# Altium PCB PCB1.PcbDoc (part 1 of 3) (continued)
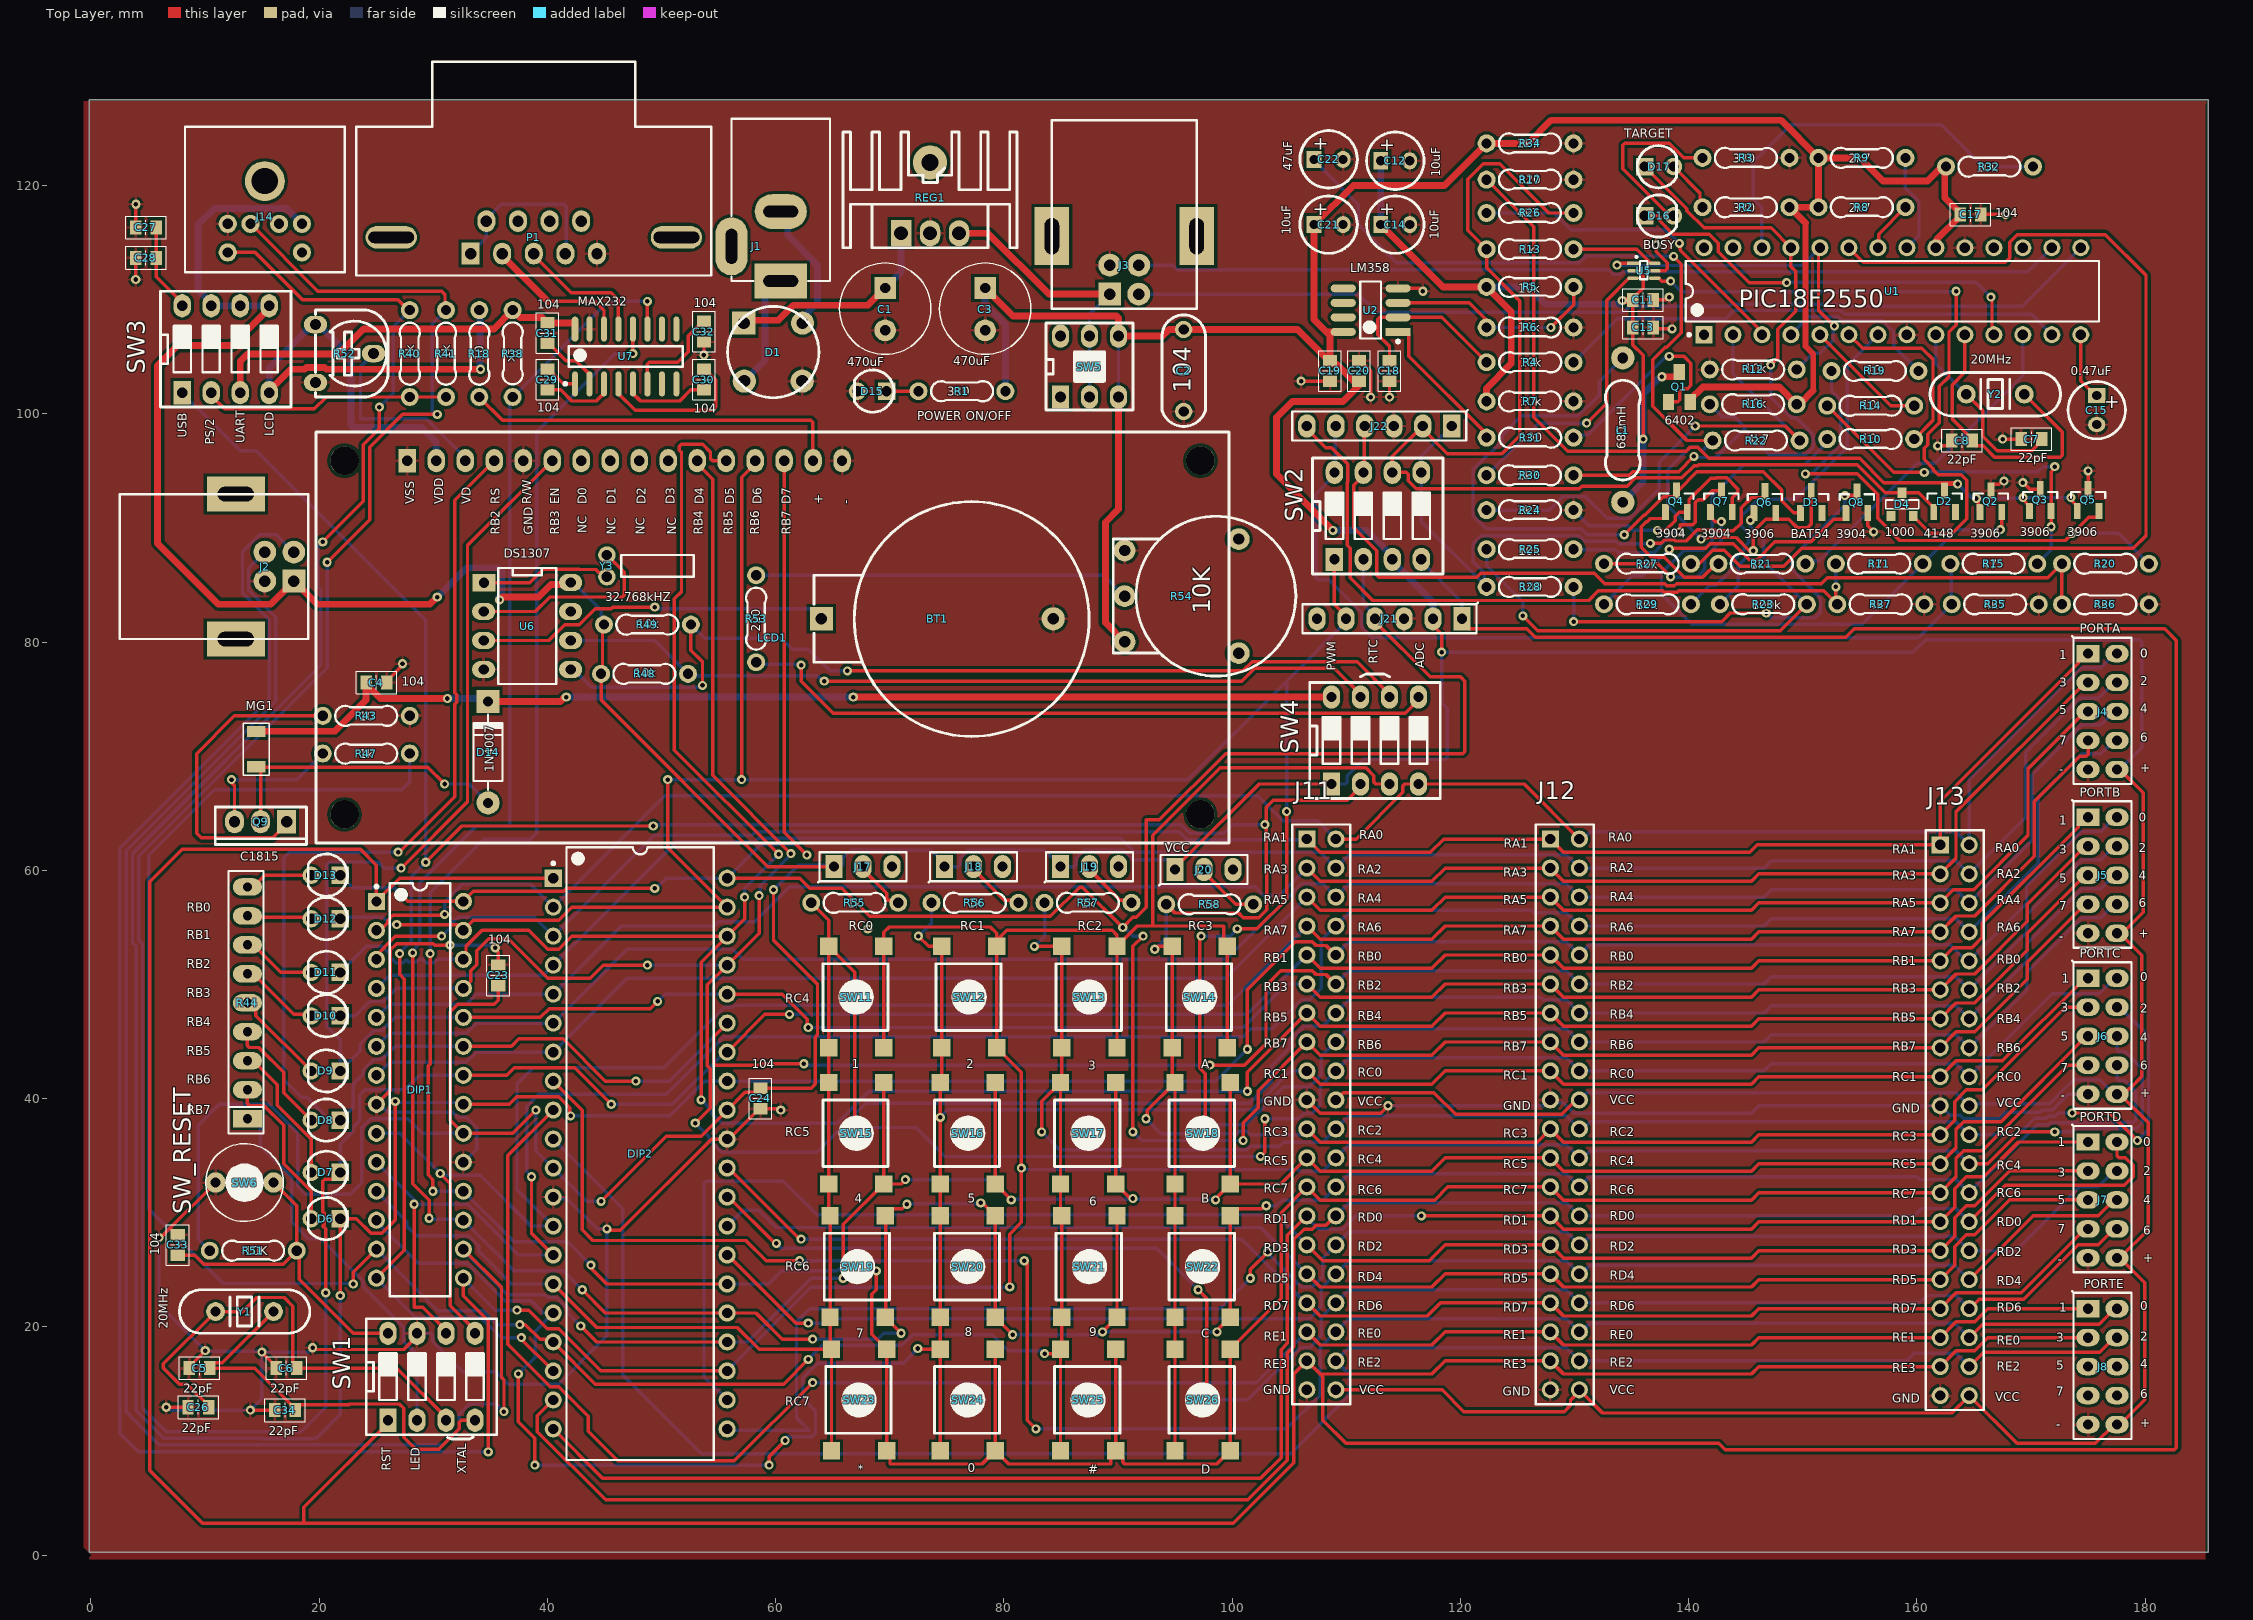
[diagram p0: Top Layer view]
## Footprints (in the part's own frame and the unit in brackets; to place one, negate y for a bottom-side part, rotate by r counter-clockwise, add the part's x,y. Pads: shape width x height; smd on the part's side, far side on the other; paste and mask are expansions set on the pad)
"BRIDGE DIODE 2A" [mil] "CAU 1A TRON"
  rect 80x80 hole 42: 1(0,-2)
  round 80 hole 42: 2(0,201) 3(200,0) 4(200,200)
  silkscreen extent -57,-57 257,257, body extent -86,-88 280,278, height 220
C5mm [mm]
  rect 1.3x1.5 hole 0.8: 1(-1.27,0)
  oval 1.3x1.5 hole 0.8: 2(1.27,0)
  silkscreen extent -2.51,-2.51 2.51,2.51, body extent -2.5,-2.5 2.49,2.5, height 11.01
"C 104" [mil] "Capacitor"
  round 60 hole 35.43: 1(0,0) 2(283,0)
  silkscreen extent -50,-75 334,75, body extent -31,-81 315,77, height 315
"C 0805 (2012)" [mm] "Chip Capacitor, 2-Leads, Body 2.0x1.3mm, IPC Medium Density"
  rect 1x1.25 smd: 1(-0.9,0) 2(0.9,0)
  silkscreen extent -1.78,-1 1.78,1, body extent -1,-0.64 1,0.61, height 0.6
"CON CR2032" [mil]
  rect 80x80 / inner round 60 / far side rect 80x80 hole 39: 1(0,0)
  round 80 / inner round 60 / far side round 80 hole 39: 2(800,0)
  silkscreen extent -25,-406 923,404, body extent -132,-448 998,448, height 279
"CON DB9 FEMALE ROTATY" [mil]
  rect 62x75 hole 39.37: 1(218,56)
  oval 62x75 hole 39.37: 2(109,56) 3(0,56) 4(-109,56) 5(-218,56) 6(163.5,-56) 7(54.5,-56) 8(-54.5,-56) 9(-163.5,-56)
  oval 177.17x78.74 hole 39.37 slot 157.48 at 0 deg: Hole49(-492,0) Hole50(492,0)
  silkscreen extent -612,-606 612,132, body extent -606,-602 607,118, height 497
"CON PWR 5MM" [mil]
  rect 120x180 hole 40 slot 120 at 90 deg: 1(0,0)
  oval 120x180 hole 40 slot 120 at 90 deg: 2(-240,0)
  oval 200x110 hole 40 slot 120 at 0 deg: 3(-120,-170)
  silkscreen extent -560,-170 0,170, body extent -540,-193 4,181, height 434
"CON USB B" [mil]
  rect 79x79 hole 39.37: 1(0,0)
  round 78.73 hole 39.37: 2(100,0) 3(100,100) 4(0,100)
  rect 120x200 hole 50 slot 125 at 90 deg: 5(-200,200) 6(300,200)
  silkscreen extent -200,-50 300,600, body extent -240,-45 343,605, height 440
"Crystal DIP-2" [mil] "Available for crystal 32.768kHz"
  round 60 hole 35.43: 1(0,-25) 2(0,-100)
  silkscreen extent 50,-100 300,-25, body extent 50,-105 300,-25
"Crystal HC49S DIP" [mil]
  round 65 hole 35.43: 1(0,0) 2(200,0)
  silkscreen extent -125,-75 325,75, body extent -120,-93 320,91, height 143
CYL/D.300/LS.150/.031 [mm]
  rect 1.905x1.905 hole 0.9: 1(0.1,0)
  round 1.905 hole 0.9: 2(3.81,0)
  silkscreen extent -2.1,-4 5.91,4, body extent -2.09,-4 5.91,4, height 12
D1A [mil] "Diode 1A, W 100mil, L 350mil"
  round 80 hole 35: 1(0,0)
  rect 80x80 hole 35: 2(-350,0)
  silkscreen extent -305,-50 -45,50, body extent -386,-33 34,36, height 84
"DIP 8" [mil] "DIP IC (2.54mm), 8 pins"
  rect 60x80 hole 35.43: 1(1,1)
  oval 60x80 hole 35.43: 2(100,0) 3(200,0) 4(300,0) 5(300,300) 6(200,300) 7(100,300) 8(0,300)
  silkscreen extent -50,50 350,250, body extent -47,-15 347,310, height 201
HDR2X20 [mm] "Connector; Header; 20x2 Position"
  rect 1.5x1.5 hole 0.9: 1(0,0)
  round 1.5 hole 0.9: 2(0,2.54) 3(2.54,0) 4(2.54,2.54) 5(5.08,0) 6(5.08,2.54) 7(7.62,0) 8(7.62,2.54) 9(10.16,0) 10(10.16,2.54) 11(12.7,0) 12(12.7,2.54) 13(15.24,0) 14(15.24,2.54) 15(17.78,0) 16(17.78,2.54) 17(20.32,0) 18(20.32,2.54) 19(22.86,0) 20(22.86,2.54) 21(25.4,0) 22(25.4,2.54) 23(27.94,0) 24(27.94,2.54) 25(30.48,0) 26(30.48,2.54) 27(33.02,0) 28(33.02,2.54) 29(35.56,0) 30(35.56,2.54) 31(38.1,0) 32(38.1,2.54) 33(40.64,0) 34(40.64,2.54) 35(43.18,0) 36(43.18,2.54) 37(45.72,0) 38(45.72,2.54) 39(48.26,0) 40(48.26,2.54)
  silkscreen extent -1.27,-1.27 49.53,3.81, body extent -1.42,-1.27 49.68,3.73, height 8.5
"Header 3" [mil]
  rect 60x80 hole 35.43: 1(0,0)
  oval 60x80 hole 35.43: 2(100,0) 3(200,0)
  silkscreen extent -55,-55 250,50, body extent -50,-50 250,50, height 350
"Header 5x2" [mil]
  rect 60x80 hole 35.43: 1(0,0)
  oval 60x80 hole 35.43: 2(0,100) 3(100,0) 4(100,100) 5(200,0) 6(200,100) 7(300,0) 8(300,100) 9(400,0) 10(400,100)
  silkscreen extent -60,-55 450,150, body extent -50,-50 450,150, height 350
"Header 6" [mil]
  rect 60x80 hole 35.43: 1(0,0)
  oval 60x80 hole 35.43: 2(100,0) 3(200,0) 4(300,0) 5(400,0) 6(500,0)
  silkscreen extent -55,-55 550,50, body extent -50,-50 550,50, height 330
"LCD 16x2" [mm]
  rect 1.524x2.032 hole 0.9: 1(0,0)
  oval 1.524x2.032 hole 0.9: 2(2.54,0) 3(5.08,0) 4(7.62,0) 5(10.16,0) 6(12.7,0) 7(15.24,0) 8(17.78,0) 9(20.32,0) 10(22.86,0) 11(25.4,0) 12(27.94,0) 13(30.48,0) 14(33.02,0) 15(35.56,0) 16(38.1,0)
  round 2.5 hole 2.5: HOLE(-5.5,0) HOLF(69.5,0) HOLG(69.5,-31) HOLH(-5.5,-31)
  silkscreen extent -8,-33.5 72,2.5, body extent -7.99,-33.47 72.26,2.53, height 18.05
"LED 3MM" [mil]
  rect 60x60 hole 35.43: 1(0,0)
  round 60 hole 35.43: 2(100,0)
  silkscreen extent -25,-73 110,72, body extent -22,-69 110,69, height 177
PDIP600-P40 [mm] "DIP, 40-Leads, Row Spacing 15.24mm, Pitch 2.54mm, Body 51.8x13.5mm"
  rect 1.5x1.5 hole 0.9: 1(-7.62,24.13)
  round 1.5 hole 0.9: 2(-7.62,21.59) 3(-7.62,19.05) 4(-7.62,16.51) 5(-7.62,13.97) 6(-7.62,11.43) 7(-7.62,8.89) 8(-7.62,6.35) 9(-7.62,3.81) 10(-7.62,1.27) 11(-7.62,-1.27) 12(-7.62,-3.81) 13(-7.62,-6.35) 14(-7.62,-8.89) 15(-7.62,-11.43) 16(-7.62,-13.97) 17(-7.62,-16.51) 18(-7.62,-19.05) 19(-7.62,-21.59) 20(-7.62,-24.13) 21(7.62,-24.13) 22(7.62,-21.59) 23(7.62,-19.05) 24(7.62,-16.51) 25(7.62,-13.97) 26(7.62,-11.43) 27(7.62,-8.89) 28(7.62,-6.35) 29(7.62,-3.81) 30(7.62,-1.27) 31(7.62,1.27) 32(7.62,3.81) 33(7.62,6.35) 34(7.62,8.89) 35(7.62,11.43) 36(7.62,13.97) 37(7.62,16.51) 38(7.62,19.05) 39(7.62,21.59) 40(7.62,24.13)
  silkscreen extent -7.74,-26.85 6.45,26.85, body extent -7.3,-26.85 7.3,26.85, height 6.35
PS2-6PIN [mm] "PS2 Socket, 6 Pin, Through Hole"
  round 1.6 hole 0.9: 1(-1.25,-8.5) 2(1.25,-8.5) 3(-3.25,-8.5) 4(3.25,-8.5) 5(-3.25,-11) 6(3.25,-11)
  round 3.5 hole 2.3: S(0,-4.75)
  silkscreen extent -7,-12.75 7,0
"R 1/2W" [mil]
  round 80 hole 37: 1(0,0) 2(498,0)
  silkscreen extent 77,-60 421,60, body extent -12,-71 510,71, height 161
"R 1/4W" [mil]
  round 62 hole 35.43: 1(0,0) 2(300,0)
  silkscreen extent 44,-35 257,35, body extent -12,-47 312,47, height 95
"R 1206 (3216)" [mm] "Chip Resistor, 2-Leads, Body 3.1x1.6mm, IPC Medium Density"
  rect 1x1.6 smd: 1(-1.55,0) 2(1.55,0)
  silkscreen extent -2.29,-1.14 2.29,1.14, body extent -1.6,-0.8 1.6,0.8, height 0.6
"R VAR B" [mil]
  round 75 / inner round 60 / far side round 75 hole 39: 1(0,0) 2(157.47,0) 3(314.93,0) 4(-39.37,393.67) 5(354.3,393.67)
  silkscreen extent -118,-39 433,590
"R VAR D" [mil]
  oval 60x80 / inner round 60 / far side oval 60x80 hole 39: 1(0,0) 2(100,200) 3(200,0)
  silkscreen extent -50,0 250,250, body extent -27,-48 229,230, height 292
RN8 [mil] "R SIP8, 9 Pin"
  rect 60x100 hole 32: 1(0,0)
  oval 60x100 hole 32: 2(100,0) 3(200,0) 4(300,0) 5(400,0) 6(500,0) 7(600,0) 8(700,0) 9(800,0)
  silkscreen extent -50,-55 855,65, body extent -43,-44 843,5, height 259
SOIC-8 [mm] "SOIC, 8-Leads, Body 5.0x4.0mm (max), Pitch 1.27mm, IPC Medium Density"
  rect 2.2x0.7 smd: 1(-2.4,1.905)
  oval 2.2x0.7 smd: 2(-2.4,0.635) 3(-2.4,-0.635) 4(-2.4,-1.905) 5(2.4,-1.905) 6(2.4,-0.635) 7(2.4,0.635) 8(2.4,1.905)
  silkscreen extent -2.53,-2.5 0.9,2.88, body extent -3,-2.49 3,2.41, height 1.75
SOIC-16 [mm] "SOIC, 16-Leads, Body 10.0x4.0mm (max), Pitch 1.27mm, IPC Medium Density"
  oval 2.2x0.51 smd: 1(-2.4,4.445) 2(-2.4,3.175) 3(-2.4,1.905) 4(-2.4,0.635) 5(-2.4,-0.635) 6(-2.4,-1.905) 7(-2.4,-3.175) 8(-2.4,-4.445) 9(2.4,-4.445) 10(2.4,-3.175) 11(2.4,-1.905) 12(2.4,-0.635) 13(2.4,0.635) 14(2.4,1.905) 15(2.4,3.175)
  oval 2.2x0.6 smd: 16(2.4,4.445)
  silkscreen extent -2.52,-5 0.9,5.42, body extent -3,-4.95 3,4.95, height 1.4
SOT23 [mm]
  rect 1x1.4 smd: 1(-0.95,-1.306) 2(0.95,-1.306) 3(0,1.306)
SOT-6 [mm]
  rect 1.016x0.3 smd: 1(0,0)
  oval 1.016x0.3 smd: 2(0,-0.65) 3(0,-1.3) 4(1.9,-1.3) 5(1.9,-0.65) 6(1.9,0)
  silkscreen extent 0.24,-1.4 1.27,0.63, body extent -0.26,-1.74 2.14,0.46, height 1.1
SOT-23#1 [mm] "SOT23, 3-Leads, Body 3.0x2.5mm (max), Pitch 0.95mm, IPC Medium Density"
  rect 1.4x0.6 smd: 1(-0.95,0.95) 2(-0.95,-0.95) 3(0.95,0)
  silkscreen extent 0.2,-1.5 0.7,1.5, body extent -1.28,-1.46 1.27,1.46, height 0.95
SOT-23#2 [mm]
  rect 0.787x0.889 smd: 1(0.025,-1.016) 2(-0.94,1.016) 3(0.991,1.016)
  silkscreen extent -1.42,-0.38 1.47,0.38
SPDIP300-SP28 [mm] "DIP, 28-Leads, Row Spacing 7.62mm, Pitch 2.54mm, Body 34.9x6.8mm"
  rect 1.5x1.5 hole 0.9: 1(-3.81,16.51)
  round 1.5 hole 0.9: 2(-3.81,13.97) 3(-3.81,11.43) 4(-3.81,8.89) 5(-3.81,6.35) 6(-3.81,3.81) 7(-3.81,1.27) 8(-3.81,-1.27) 9(-3.81,-3.81) 10(-3.81,-6.35) 11(-3.81,-8.89) 12(-3.81,-11.43) 13(-3.81,-13.97) 14(-3.81,-16.51) 15(3.81,-16.51) 16(3.81,-13.97) 17(3.81,-11.43) 18(3.81,-8.89) 19(3.81,-6.35) 20(3.81,-3.81) 21(3.81,-1.27) 22(3.81,1.27) 23(3.81,3.81) 24(3.81,6.35) 25(3.81,8.89) 26(3.81,11.43) 27(3.81,13.97) 28(3.81,16.51)
  silkscreen extent -3.93,-18.1 2.65,18.1, body extent -3.55,-18.1 3.55,18.1, height 5.08
SW/2/DIP [mil]
  round 70 hole 35.43: 1(0,0) 2(200,0)
  silkscreen extent -34,-134 234,134, body extent -34,-134 235,135, height 150
SW/4/SMD/SMALL [mil]
  rect 60x60 smd: 1(-95,175) 2(95,175) 3(95,-175) 4(-95,-175)
  silkscreen extent -115,-115 110,115, body extent -118,-197 118,197, height 197
SW/6/DPDT/PUSH [mil]
  rect 60x80 hole 39: 1(-100,-105)
  oval 60x80 hole 38: 2(0,-105) 3(100,-105) 4(-100,105) 5(0,105) 6(100,105)
  silkscreen extent -150,-150 150,150, body extent -165,-172 170,162, height 544
SW/DIP4 [mil]
  rect 60x80 hole 35.43: 1(0,0)
  oval 60x80 hole 35.43: 2(100,0) 3(200,0) 4(300,0) 5(300,300) 6(200,300) 7(100,300) 8(0,300)
  silkscreen extent -75,-50 375,350, body extent -77,-45 381,345, height 268
TO-126 [mil]
  rect 65x80 hole 39.37: 1(0,0)
  oval 65x80 hole 39.37: 2(89.76,0) 3(179.53,0)
  silkscreen extent -69,-51 246,79, body extent -63,-71 244,35, height 614
TO-220/HeatSink [mm]
  rect 1.8x2.286 hole 1.2: 1(0,0)
  oval 1.8x2.286 hole 1.2: 2(2.54,0) 3(5.08,0)
  round 3 hole 1.5: 4(2.54,6.198)
  silkscreen extent -5.08,-1.27 10.16,8.89, body extent -4.85,-1.31 9.93,9.49, height 25

## Part data
C1 C3: library part "Cap Pol 8mm", "Polarized Capacitor (Axial)", LatestRevisionDate=17-Jul-2002, LatestRevisionNote="Re-released for DXP Platform.", PackageReference=POLAR0.8, Published=8-Jun-2000, Publisher="Altium Limited"
C2 C4 C5 C6 C7 C8 C11 C13 C17 C18 C19 C20 C23 C24 C26 C27 C28 C29 C30 C31 C32 C33 C34: library part "Capacitor NP", "Capacitor non-pol"
C12 C14 C15 C21 C22: library part "Cap Pol 5mm", "Polarized Capacitor (Axial)", LatestRevisionDate=17-Jul-2002, LatestRevisionNote="Re-released for DXP Platform.", PackageReference=POLAR0.8, Published=8-Jun-2000, Publisher="Altium Limited"
D1: library part "Diode Bridge", "Convert AC to DC voltage, 4 pin", ="Cau 5A"
D2: library part 1N4148, "DIODE FAST SIGNAL 500MA/100V", Package="DO-35 Fairchild Semiconductor", Availability=Unavailable, MF="MICROSS/On Semiconductor", MP=1N4148, Price=None, SnapEDA_Link=https://www.snapeda.com/parts/1N4148/MICROSS/On%20Semiconductor/view-part/9246/?ref=snap
D3: library part Diode, "Default Diode", Code_JEDEC=DO-214-AB, LatestRevisionDate=17-Jul-2002, LatestRevisionNote="Re-released for DXP Platform.", PackageReference=SMC, PackageVersion=Sep-1996, Published=8-Jun-2000, Publisher="Altium Limited"
D4: library part ZHCS1000, "Diode Schottky 40V 1A _DC_ Surface Mount SOT-23-3", Package="SOT-23 Diodes Inc.", Availability=Unavailable, MF="Diodes Inc.", MP=ZHCS1000, Price=None, SnapEDA_Link=https://www.snapeda.com/parts/ZHCS1000/Diodes%20Inc./view-part/53280/?ref=snap
D6 D7 D8 D9 D10 D11 D12 D13 D15 D16 D17: library part "IR Led", "IR Led", LatestRevisionDate=17-Jul-2002, LatestRevisionNote="Re-released for DXP Platform.", PackageReference=AXIAL-0.3, Published=8-Jun-2000, Publisher="Altium Limited"
D14: library part D1A, "Diode 1A"
DIP1: library part PIC16F886-I/SP, "Flash-Based, 8-Bit CMOS Microcontroller with nanoWatt Technology, 8K (x14-Bit words) Program Memory, 624 Bytes Data Memory, 24 I/O pins, 28-Pin SPDIP, Standard VDD Range, Industrial Temperature", Supplier Part Number 1=PIC16F886-I/SP-ND, ComponentLink1Description=Datasheet, ComponentLink1URL=http://ww1.microchip.com/downloads/en/DeviceDoc/41291F.pdf, ComponentLink2Description="Packaging Specification", ComponentLink2URL=http://www.microchip.com/stellent/groups/techpub_sg/documents/packagingspec/en012702.pdf, ComponentLink3Description="Microchip.com Home", ComponentLink3URL=http://www.microchip.com/, DatasheetVersion="revF, Apr-2009", LatestRevisionDate=02-Dec-2009, LatestRevisionNote="Updated datasheet to version revF, Apr-2009.", PackageDescription="28-Lead Skinny Plastic Dual In-Line (SP) - 300 mil Body [SPDIP]", PackageReference=SPDIP300-SP28, PackageVersion="revBB, Aug-2009", Published=29-Jan-2009, Publisher="Altium Limited", Supplier 1=Digi-Key, Supplier 2=Farnell, Supplier Part Number 2=1439539
DIP2: library part PIC18F4620-I/P, "Enhanced Flash Microcontroller with 10-Bit A/D and nanoWatt Technology, 64K Flash, 40-Pin PDIP, Industrial Temperature Range", Supplier Part Number 1=PIC18F4620-I/P-ND, ComponentLink1Description=Datasheet, ComponentLink1URL=http://ww1.microchip.com/downloads/en/DeviceDoc/39626e.pdf, ComponentLink2Description="Packaging Specification", ComponentLink2URL=http://www.microchip.com/stellent/groups/techpub_sg/documents/packagingspec/en012702.pdf, ComponentLink3Description="Microchip.com Home", ComponentLink3URL=http://www.microchip.com/, DatasheetVersion="revE, May-2008", PackageDescription="40-Lead Plastic Dual In-Line (P) - 600 mil Body [PDIP]", PackageReference=PDIP600-P40, PackageVersion="revBB, Aug-2009", Published=29-Jan-2009, Publisher="Altium Limited", Supplier 1=Digi-Key, Supplier 2=Farnell, Supplier 3=Farnell, Supplier Part Number 2=1212704, Supplier Part Number 3=1660064
J1: library part "CON DC PWR", "DC input connector"
J2 J3: library part "CON USB B", "USB type B, 4 pins"
J4 J5 J6 J7 J8: library part "Header 5X2", "Header, 5-Pin, Dual row", LatestRevisionDate=17-Jul-2002, LatestRevisionNote="Re-released for DXP Platform.", Publisher="Altium Limited"
J11 J12 J13: library part "Header 20X2", "Header, 20-Pin, Dual row", LatestRevisionDate=17-Jul-2002, LatestRevisionNote="Re-released for DXP Platform.", Publisher="Altium Limited"
J14: library part PS2-6PIN, "6 Pin Through Hole PS2 Socket (Kycon P/N)", ComponentLink1Description="Manufacturer Link", ComponentLink1URL=http://www.oupiin.com/prodindx.html#Headers, Published=17-Dec-2003, Publisher="Altium Limited"
J17 J18 J19 J20: "Header, 3-Pin"
J21 J22: "Header, 6-Pin"
L1: library part Inductor, "Inductor"
LCD1: library part "LCD 16x2", "Character LCD 16x2"
MG1: "Servo Motor", LatestRevisionDate=17-Jul-2002, LatestRevisionNote="Re-released for DXP Platform.", PackageDescription="Radial Cap, Thru-Hole; 2 Leads; 0.4 in Pin Spacing", PackageReference=RAD-0.4, Published=24-Mar-1999, Publisher="Altium Limited"
P1: library part "CON DB-9", "Connector D-Sub 9"
Q1: library part IRLML6402, "P-Channel 20V 3.7A _Ta_ 1.3W _Ta_ Surface Mount Micro3™/SOT-23", Package="SC-59 Infineon Technologies", Availability=Unavailable, MF="Infineon Technologies", MP=IRLML6402, Price=None, SnapEDA_Link=https://www.snapeda.com/parts/IRLML6402/Infineon%20Technologies/view-part/2522811/?ref=snap
Q2 Q3 Q5 Q6: library part "Transistor PNP", "PNP Bipolar Transistor", LatestRevisionDate=29-May-2009, LatestRevisionNote="IPC-7351 Footprint Added.", PackageDescription="3-Pin SOT-23 Package 0.95 mm Pitch, 2.4 mm Lead Span", PackageReference=SOT-23B, PackageVersion=Aug-1999, Published=8-Jun-2000, Publisher="Altium Limited"
Q4 Q7 Q8: library part "Transistor NPN", "NPN Bipolar Transistor"
Q9: library part "Transistor NPN - C1815", "NPN Bipolar Transistor"
R1 R2 R3 R4 R5 R6 R7 R8 R9 R12 R13 R16 R17 R21 R22 R23 R24 R25 R26 R27 R28 R29 R30 R31 R32 R34 R35 R36 R37 R38 R40 R41 R47 R48 R49 R51 R53 R55 R56 R57 R58: library part Resistor, "Resistor", LatestRevisionDate=17-Jul-2002, LatestRevisionNote="Re-released for DXP Platform.", PackageReference=AXIAL-0.3, Published=8-Jun-2000, Publisher="Altium Limited"
R10 R11 R14 R15 R18 R19 R20 R43: library part R1W, "Resistor 1W"
R44: library part RN8, "Resistor 8 (Thanh)"
R52 R54: library part "Resistor Variable", "Resistor Variable"
REG1: library part 78xx/78Mxx, "LDO Fixed Voltage regulator"
SW1 SW2 SW3 SW4: library part SWDIP4, "WS-DITV 2.54 mm small compact THT flat actuator with top tape", Manufacturer="Wurth Elektronik", Part No.=418127160904, ComponentLink1 Description=Manufacturer, ComponentLink1URL=http://www.we-online.com, ComponentLink2 Description=Datasheet, ComponentLink2URL=http://katalog.we-online.de/em/datasheet/4181271609xx.pdf, Created by="Baojun Chen", Created Date=Dec.2015, Pole=04
SW5: library part "SW DPDT/2S"
SW6: library part "SW SPST", "Tact switch 2 pin"
SW11 SW12 SW13 SW14 SW15 SW16 SW17 SW18 SW19 SW20 SW21 SW22 SW23 SW24 SW25 SW26: library part "SW SPST-4", "Tact switch 4 pin"
U1: library part PIC18F2550-I/SP, "High Performance, Enhanced Flash, USB Microcontroller with nanoWatt Technology, 32K Flash, 28-Pin SPDIP, Industrial Temperature Range", Supplier Part Number 1=PIC18F2550-I/SP-ND, ComponentLink1Description=Datasheet, ComponentLink1URL=http://ww1.microchip.com/downloads/en/DeviceDoc/39632e.pdf, ComponentLink2Description="Packaging Specification", ComponentLink2URL=http://www.microchip.com/stellent/groups/techpub_sg/documents/packagingspec/en012702.pdf, ComponentLink3Description="Microchip.com Home", ComponentLink3URL=http://www.microchip.com/, DatasheetVersion="revE, Aug-2008", LatestRevisionDate=02-Dec-2009, LatestRevisionNote="Updated to datasheet revision E, Aug-2008", PackageDescription="28-Lead Skinny Plastic Dual In-Line (SP) - 300 mil Body [SPDIP]", PackageReference=SPDIP300-SP28, PackageVersion="revBB, Aug-2009", Published=29-Jan-2009, Publisher="Altium Limited", Supplier 1=Digi-Key, Supplier 2=Farnell, Supplier 3=Farnell, Supplier Part Number 2=9321250, Supplier Part Number 3=1523822
U2: "Low Power Dual Operational Amplifiers"
U5: "20V N & P-Channel PowerTrenchÒ MOSFETs"
U7: "RS-232 Line Driver/Receiver"
Y1 Y2 Y3: library part Crystal

## Via types
v1: diameter 0.8, hole 0.4, Top Layer to Bottom Layer, 201 vias

## Nets (pads, with @x,y where several pads share a name; then routed paths per layer and width w, separated by ;. In a path a pad name is that pad's centre, name@x,y a point inside that pad or via, vN(x,y) a via of type N, cw(c..) or ccw(c..) an arc to the next point about the centre after c; other vN are vias at no path point)
+V_TGT: C11.1 C12.1 C13.1 C14.1 L1.1 Q1.3 R5.2 R7.2 U5.2 | length 73
  Top Layer w0.3: C14.1@113.03,116.586 113.03,116.486 113.53,115.986 C14.1@113.63,115.986 ; C11.1@135.069,109.934 C11.1@135.117,109.982 ; U5.2@135.133,112.537 135.491,112.537 135.587,112.441 135.72,112.441 136.045,112.116 136.045,111.01 135.805,110.77 135.78,110.77 135.117,110.107 C11.1@135.117,109.982 ; v1(136.017,97.79) 136.017,105.132 135.117,106.032 C13.1@135.117,107.569 C11.1@135.117,109.982 ; Q1.3@138.842,103.251 139.192,103.601 Q1.3@139.192,103.668
  Top Layer w0.6: C14.1@113.63,115.986 118.491,111.125 R5.2@122.301,111.125 124.46,108.966 124.46,104.394 122.301,102.235 R7.2@122.301,101.092 ; v1(134.194,109.934) C11.1@135.069,109.934 ; v1(137.668,103.251) Q1.3@138.842,103.251
  Bottom Layer w0.6: C14.1@113.03,116.586 C12.1@113.03,122.174 ; R5.2@122.301,111.125 125.935,111.125 127.459,109.601 133.861,109.601 v1(134.194,109.934) ; L1.1@134.239,92.253 136.017,94.031 v1(136.017,97.79) 136.017,101.727 v1@137.605,103.314
_SCL: R8.1 U1.22 | length 4.6
  Top Layer w0.3: U1.22@156.591,114.554 156.648,114.611 156.648,115.754 R8.1@159.004,118.11
_SDA: R9.1 U1.21 | length 8.8
  Bottom Layer w0.3: R9.1@159.004,122.428 159.004,119.795 160.195,118.603 160.195,115.618 U1.21@159.131,114.554
ADC: R53.1 SW4.5 | length 61.4
  Top Layer w0.3: v1(62.23,77.978) 62.23,76.581 65.047,73.764 115.166,73.764 116.332,74.93 SW4.5@116.332,75.184
  Bottom Layer w0.3: R53.1@58.293,78.232 58.451,78.074 62.134,78.074 v1(62.23,77.978)
AUX: R10.1 U1.6 | length 15.9
  Top Layer w0.3: U1.6@154.051,106.934 155.245,105.74 160.452,105.74 161.417,104.775 161.417,99.441 R10.1@159.766,97.79
AUX_OUTPUT: J22.6 R11.2 R37.2 | length 63.7
  Top Layer w0.3: J22.6@106.553,98.933 106.553,98.679 108.207,97.025 108.713,97.025 110.132,95.606 110.132,94.024 110.095,93.987 110.095,88.469 110.34,88.224 110.34,85.621 112.316,83.645 131.236,83.645 132.095,84.503 137.731,84.503 137.867,84.367 138.993,84.367 139.129,84.503 151.844,84.503 R37.2@152.908,83.439 ; v1(152.908,84.836) R37.2@152.908,83.439 ; R11.2@152.908,86.23 R11.2@152.908,86.868 ; R37.2@153.035,83.312 R37.2@152.908,83.439
  Bottom Layer w0.3: v1(152.908,84.836) R11.2@152.908,86.868
BUSY_LED: D16.1 U1.11 | length 37.3
  Top Layer w0.3: D16.1@136.144,117.348 137.342,117.348 137.518,117.172 137.518,116.865 138.644,115.739 141.127,115.739 141.128,115.737 141.8,115.737 142.606,114.931 142.606,114.207 145.307,111.506 v1(148.59,111.506) ; v1(166.497,110.236) 166.593,110.14 166.593,107.092 U1.11@166.751,106.934
  Bottom Layer w0.3: v1(148.59,111.506) 148.632,111.548 165.185,111.548 v1(166.497,110.236)
CLAMP_REF: D2.3 Q2.1 Q3.1 Q5.1 R17.2 | length 78.5
  Top Layer w0.3: R17.2@122.301,120.523 126.446,116.378 126.446,99.707 129.428,96.726 139.785,96.726 140.129,97.07 140.795,97.07 141.765,96.1 154.998,96.1 157.118,93.98 163.449,93.98 163.552,93.877 163.552,93.829 162.583,93.829 162.433,93.679 D2.3@162.433,93.279 ; v1(165.227,92.583) 165.397,92.413 165.397,91.529 Q2.1@165.547,91.379 ; v1(169.315,92.656) 169.315,92.456 169.865,91.906 Q3.1@169.865,91.506 ; v1(173.506,92.656) 173.506,92.456 174.056,91.906 Q5.1@174.056,91.506
  Bottom Layer w0.3: v1(163.576,93.853) 164.75,92.679 165.131,92.679 v1(165.227,92.583) 165.263,92.619 169.278,92.619 v1(169.315,92.656) v1(173.506,92.656)
GND: BT1.2 C1.2 C2.2 C3.2 C4.2 C5.1 C6.1 C7.1 C8.1 C11.2 C12.2 C13.2 C14.2 C15.2 C17.2 C18.2 C19.2 C20.2 C21.2 C22.2 C23.2 C24.2 C26.1 C27.2 C28.2 C32.1 C33.2 C34.1 D1.4 D15.2 DIP1.8 DIP1.19 DIP2.12 DIP2.31 J2.4 J3.4 J4.9 J5.9 J6.9 J7.9 J8.9 J11.19 J11.39 J12.19 J12.39 J13.19 J13.39 J14.3 J21.3 J22.3 LCD1.1 LCD1.5 LCD1.16 P1.5 Q2.3 Q3.3 Q4.2 Q5.3 Q7.2 Q8.2 R3.1 R6.1 R7.1 R12.2 R17.1 R24.1 R34.1 R35.1 R36.1 R37.1 R43.1 R52.3 R54.1 REG1.2 SW1.7 SW6.1 U1.8 U1.19 U2.4 U5.5 U6.4 U7.15 | length 282.2
  Top Layer w0.3: C28.2@3.926,113.665 v1(3.926,111.771) v1@3.937,111.76 ; C27.2@3.926,116.332 3.926,118.353 v1(3.937,118.364) ; v1(5.969,27.813) 6.096,27.813 7.011,28.728 ; v1(6.604,12.954) C26.1@8.509,12.954 ; C33.2@7.62,28.078 7.495,28.078 7.011,28.562 7.011,28.728 ; C5.1@8.625,16.383 8.625,16.508 v1(10.024,17.907) ; SW6.1@10.922,32.639 7.011,28.728 ; v1(13.97,12.7) C34.1@16.118,12.7 ; v1(14.986,17.78) 14.986,17.756 16.234,16.508 C6.1@16.234,16.383 ; v1(19.431,18.161) 19.566,18.161 19.716,18.011 27.409,18.011 28.575,19.177 SW1.7@28.575,19.431 ; DIP1.8@25.019,39.497 26.227,40.705 26.227,52.621 26.247,52.642 26.247,53.038 26.781,53.573 29.988,53.573 30.135,53.425 31.454,53.425 v1(31.479,53.45) ; C4.2@25.919,76.454 25.919,76.579 27.305,77.965 v1(27.305,78.105) ; v1(35.433,53.213) 35.433,53.078 35.687,52.824 C23.2@35.687,51.7 ; v1@45.339,28.448 46.383,28.448 54.384,36.449 DIP2.31@55.753,36.449 55.893,36.449 58.549,39.105 C24.2@58.674,39.105 60.336,39.105 v1(60.452,38.989) ; v1(53.721,105.156) C32.1@53.721,106.299 ; v1(106.045,102.87) 106.056,102.859 C19.2@108.585,102.859 ; J11.19@106.553,39.878 107.707,38.724 113.019,38.724 v1(113.665,39.37) ; C20.2@111.125,104.659 111.25,104.659 112.154,103.755 112.154,101.486 v1(112.141,101.473) ; v1(113.792,101.473) C18.2@113.792,102.859 ; U2.4@114.541,110.998 116.459,110.998 v1(116.713,110.744) ; C13.2@136.917,107.569 137.044,107.442 v1(138.557,107.442) ; C11.2@136.917,109.982 138.049,109.982 v1(138.303,110.236) ; U5.5@137.033,112.537 137.942,112.537 138.118,112.713 138.118,113.244 137.945,113.416 137.16,114.201 v1(137.16,114.808) ; v1(137.287,89.789) 137.969,89.789 138.818,90.637 138.818,91.017 139.18,91.379 Q4.2@139.888,91.379 140.038,91.529 140.038,92.462 141.93,94.354 142.379,94.354 142.408,94.383 143.342,94.383 144.335,93.39 144.335,93.154 143.825,92.644 Q7.2@143.825,91.379 ; Q8.2@155.697,91.313 155.697,90.175 v1(156.21,89.662) ; v1@161.798,97.155 v1(161.831,97.188) 162.718,97.188 163.068,97.538 C8.1@163.068,97.663 ; C17.2@165.608,117.475 v1(167.767,117.475) ; Q2.3@166.497,93.279 166.497,93.679 166.647,93.829 167.227,93.829 167.505,94.107 v1(167.64,94.107) ; v1(167.513,97.79) C7.1@169.164,97.79 ; v1(169.291,93.98) 169.345,93.98 169.919,93.406 Q3.3@170.815,93.406 ; Q5.3@175.006,93.406 v1(175.006,94.996)
  Bottom Layer w0.3: v1(5.969,27.813) 5.969,21.962 v1(10.024,17.907) 10.087,17.843 14.922,17.843 v1(14.986,17.78) ; v1(6.604,12.954) 6.739,12.954 6.993,12.7 v1(13.97,12.7) 14.986,13.716 v1(14.986,17.78) ; v1(19.431,18.161) 19.05,17.78 v1(14.986,17.78) ; DIP1.8@25.019,39.497 25.284,39.497 26,38.781 31.723,38.781 32.161,38.343 32.885,38.343 33.793,37.435 33.793,35.571 DIP1.19@32.639,34.417 ; SW1.7@28.575,19.431 29.773,19.431 29.949,19.255 29.949,18.694 32.595,16.048 35.485,16.048 36.558,14.975 40.991,14.975 45.212,19.196 v1(45.212,28.575) 44.354,28.575 41.713,31.216 40.666,31.216 DIP2.12@40.513,31.369 ; v1(31.479,53.45) 34.942,53.45 35.179,53.213 v1(35.433,53.213) ; v1(113.665,39.37) 127.381,39.37 J12.19@127.889,39.878 128.119,39.648 129.027,39.648 129.951,38.724 145.516,38.724 146.162,39.37 J13.19@162.052,39.37 162.085,39.37 162.917,38.538 163.792,38.538 164.114,38.216 167.154,38.216 167.754,38.816 170.794,38.816 170.974,38.996 171.859,38.996 173.249,40.386 J6.9@175.006,40.386 ; R24.1@129.921,91.567 131.276,90.212 134.699,90.212 135.122,89.789 v1(137.287,89.789)
ICSPCLK: R14.1 U1.5 | length 10.8
  Top Layer w0.3: U1.5@151.511,106.934 157.734,100.711 R14.1@159.766,100.711
ICSPCLK_OUTPUT: J22.5 R15.2 R35.2 SW2.8 | length 77.5
  Bottom Layer w0.3: J22.5@109.093,98.933 109.029,98.87 109.029,94.932 SW2.8@108.966,94.869 108.966,94.615 107.315,92.964 107.315,85.647 107.491,85.471 108.456,85.471 111.356,82.571 111.356,81.305 112.27,80.391 160.147,80.391 R35.2@163.068,83.312 163.005,83.376 163.005,86.804 R15.2@162.941,86.868
ICSPDAT: R19.1 U1.4 | length 14.5
  Bottom Layer w0.3: U1.4@148.971,106.934 150.537,108.5 153.114,108.5 153.456,108.158 156.999,108.158 157.977,107.18 157.977,105.929 R19.1@160.147,103.759
ICSPDAT_OUTPUT: J22.4 R20.2 R36.2 SW2.7 | length 79.4
  Top Layer w0.3: J22.4@111.633,98.933 111.569,98.87 111.569,94.932 SW2.7@111.506,94.869 111.506,94.615 110.649,93.758 110.649,90.009 112.672,87.986 112.672,85.852 112.848,85.676 121.457,85.676 121.808,86.027 131.744,86.027 132.649,85.122 137.896,85.122 138.097,84.921 138.763,84.921 138.964,85.122 151.639,85.122 152.157,85.64 171.492,85.64 R20.2@172.72,86.868 R36.2@172.72,83.312
LED_EN: R44.1 SW1.2 | length 33.5
  Bottom Layer w0.3: R44.1@13.716,38.227 14.224,38.227 14.836,37.615 14.836,35.837 15.067,35.606 17.584,33.089 17.584,29.193 19.063,27.714 20.159,27.714 23.865,24.008 23.865,23.504 27.409,19.96 27.409,18.694 28.575,17.528 SW1.2@28.575,11.811
MCLR: C33.1 R51.1 SW1.8 SW6.2 | length 30.4
  Top Layer w0.3: C33.1@7.62,26.278 9.102,26.278 9.901,25.479 16.843,25.479 R51.1@18.034,26.67 ; SW6.2@16.002,32.639 18.034,30.607 R51.1@18.034,26.67 ; SW1.8@26.035,19.431 22.993,19.431 18.255,24.169 18.255,26.449 R51.1@18.034,26.67
MCLR_TGT: R29.2 U1.7 | length 33.2
  Bottom Layer w0.3: R29.2@140.208,83.312 141.861,84.965 142.403,84.965 143.812,86.375 143.812,87.043 144.865,88.096 144.865,88.344 145.274,88.753 145.274,89.521 144.611,90.185 144.611,91.011 146.119,92.519 149.344,92.519 153.891,97.067 153.891,104.234 U1.7@156.591,106.934
NetBT1_1: BT1.1 U6.3 | length 31.2
  Top Layer w0.3: U6.3@34.417,80.137 40.134,80.137 41.508,81.511 42.774,81.511 44.194,82.931 45.593,82.931 45.72,83.058 v1(49.403,83.058)
  Bottom Layer w0.3: v1(49.403,83.058) 49.538,83.058 49.688,82.908 63.142,82.908 BT1.1@64.008,82.042
NetC1_1: C1.1 D1.1 REG1.1 | length 19
  Top Layer w0.6: D1.1@57.201,107.95 57.455,108.204 60.268,108.204 61.584,109.52 68.091,109.52 C1.1@69.596,111.025
  Bottom Layer w0.6: C1.1@69.596,111.025 70.993,112.422 REG1.1@70.993,115.824
NetC5_2: C5.2 C34.2 SW1.4 Y1.1 | length 37.2
  Top Layer w0.3: Y1.1@16.002,21.336 11.524,16.858 10.775,16.858 10.425,16.508 C5.2@10.425,16.383 14.36,16.383 C34.2@17.918,12.825 ; C34.2@17.918,12.7 C34.2@17.918,12.825 ; SW1.4@33.655,11.811 32.457,11.811 32.281,11.635 32.281,11.074 30.478,9.271 28.448,9.271 27.409,10.31 27.409,12.85 27.028,13.231 22.676,13.231 22.62,13.175 18.268,13.175 C34.2@17.918,12.825
NetC6_2: C6.2 C26.2 SW1.3 Y1.2 | length 40.6
  Top Layer w0.3: C26.2@10.309,12.954 10.309,13.079 8.418,14.97 7.763,14.97 6.347,16.386 6.347,16.761 Y1.2@10.922,21.336 13.285,21.336 14.514,22.565 16.932,22.565 17.684,21.813 17.684,16.733 C6.2@18.034,16.383 26.797,16.383 31.115,12.065 SW1.3@31.115,11.811
NetC7_2: C7.2 U1.9 Y2.1 | length 16.8
  Top Layer w0.3: Y2.1@164.338,101.727 165.772,100.293 165.772,98.028 167.039,96.761 170.06,96.761 170.964,97.665 C7.2@170.964,97.79
  Bottom Layer w0.3: U1.9@161.671,106.934 161.671,104.394 Y2.1@164.338,101.727
NetC8_2: C8.2 U1.10 Y2.2 | length 25.8
  Top Layer w0.3: U1.10@164.211,106.934 164.211,103.63 163.109,102.527 163.109,99.547 164.868,97.788 C8.2@164.868,97.663 164.868,97.538 165.218,97.188 165.829,97.188 166.81,96.207 172.56,96.207 172.736,96.383 172.736,98.409 Y2.2@169.418,101.727
NetC15_1: C15.1 U1.14 | length 6
  Top Layer w0.3: U1.14@174.371,106.934 174.371,102.897 175.668,101.6 C15.1@175.768,101.6
NetC18_1: C18.1 R4.1 U2.2 | length 15.3
  Top Layer w0.3: C18.1@113.792,104.659 113.792,105.916 112.776,106.932 112.776,108.282 112.952,108.458 U2.2@114.541,108.458 118.364,108.458 R4.1@122.301,104.521
NetC22_1: C22.1 D3.3 Q6.2 R22.2 R23.2 | length 92.2
  Top Layer w0.3: v1(138.695,113.803) 138.695,113.781 139.361,113.115 139.361,107.109 138.085,105.833 137.97,105.833 136.864,104.727 136.864,100.663 139.864,97.663 R22.2@142.113,97.663 ; v1(141.097,89.027) 141.193,89.123 141.624,89.123 141.669,89.167 144.159,89.167 145.315,88.011 v1(145.669,88.011) 145.669,89.681 146.756,90.768 147.485,90.768 Q6.2@147.635,90.918 ; Q6.2@147.635,91.318 Q6.2@147.635,90.918 ; D3.3@150.749,93.218 150.749,90.346 150.446,90.043 149.503,90.043 148.778,90.768 147.785,90.768 Q6.2@147.635,90.918
  Bottom Layer w0.3: C22.1@107.188,122.301 107.188,122.201 111.049,118.34 111.049,116.596 114.409,113.236 130.414,113.236 131.013,113.834 138.642,113.834 138.673,113.803 v1(138.695,113.803) ; v1(141.097,89.027) 138.176,91.948 138.176,95.117 140.129,97.07 140.795,97.07 141.139,96.726 141.176,96.726 R22.2@142.113,97.663 ; R23.2@142.748,83.312 144.366,84.93 144.366,86.708 v1(145.669,88.011)
NetC27_1: C27.1 C28.1 SW3.8 | length 7.8
  Top Layer w0.3: C27.1@5.726,116.332 C28.1@5.726,113.665 5.726,112.003 8.001,109.728 SW3.8@8.001,109.474
NetC29_1: C29.1 U7.3 | length 6.5
  Top Layer w0.3: C29.1@40.005,102.097 41.173,102.097 42.145,101.125 44.299,101.125 44.958,101.784 U7.3@44.958,102.629
NetC29_2: C29.2 U7.1 | length 2.9
  Top Layer w0.3: C29.2@40.005,103.897 40.13,103.897 41.398,102.629 U7.1@42.418,102.629